# Altium PCB Audio-Streamer-Mainboard.PcbDoc (part 3 of 7) (continued)
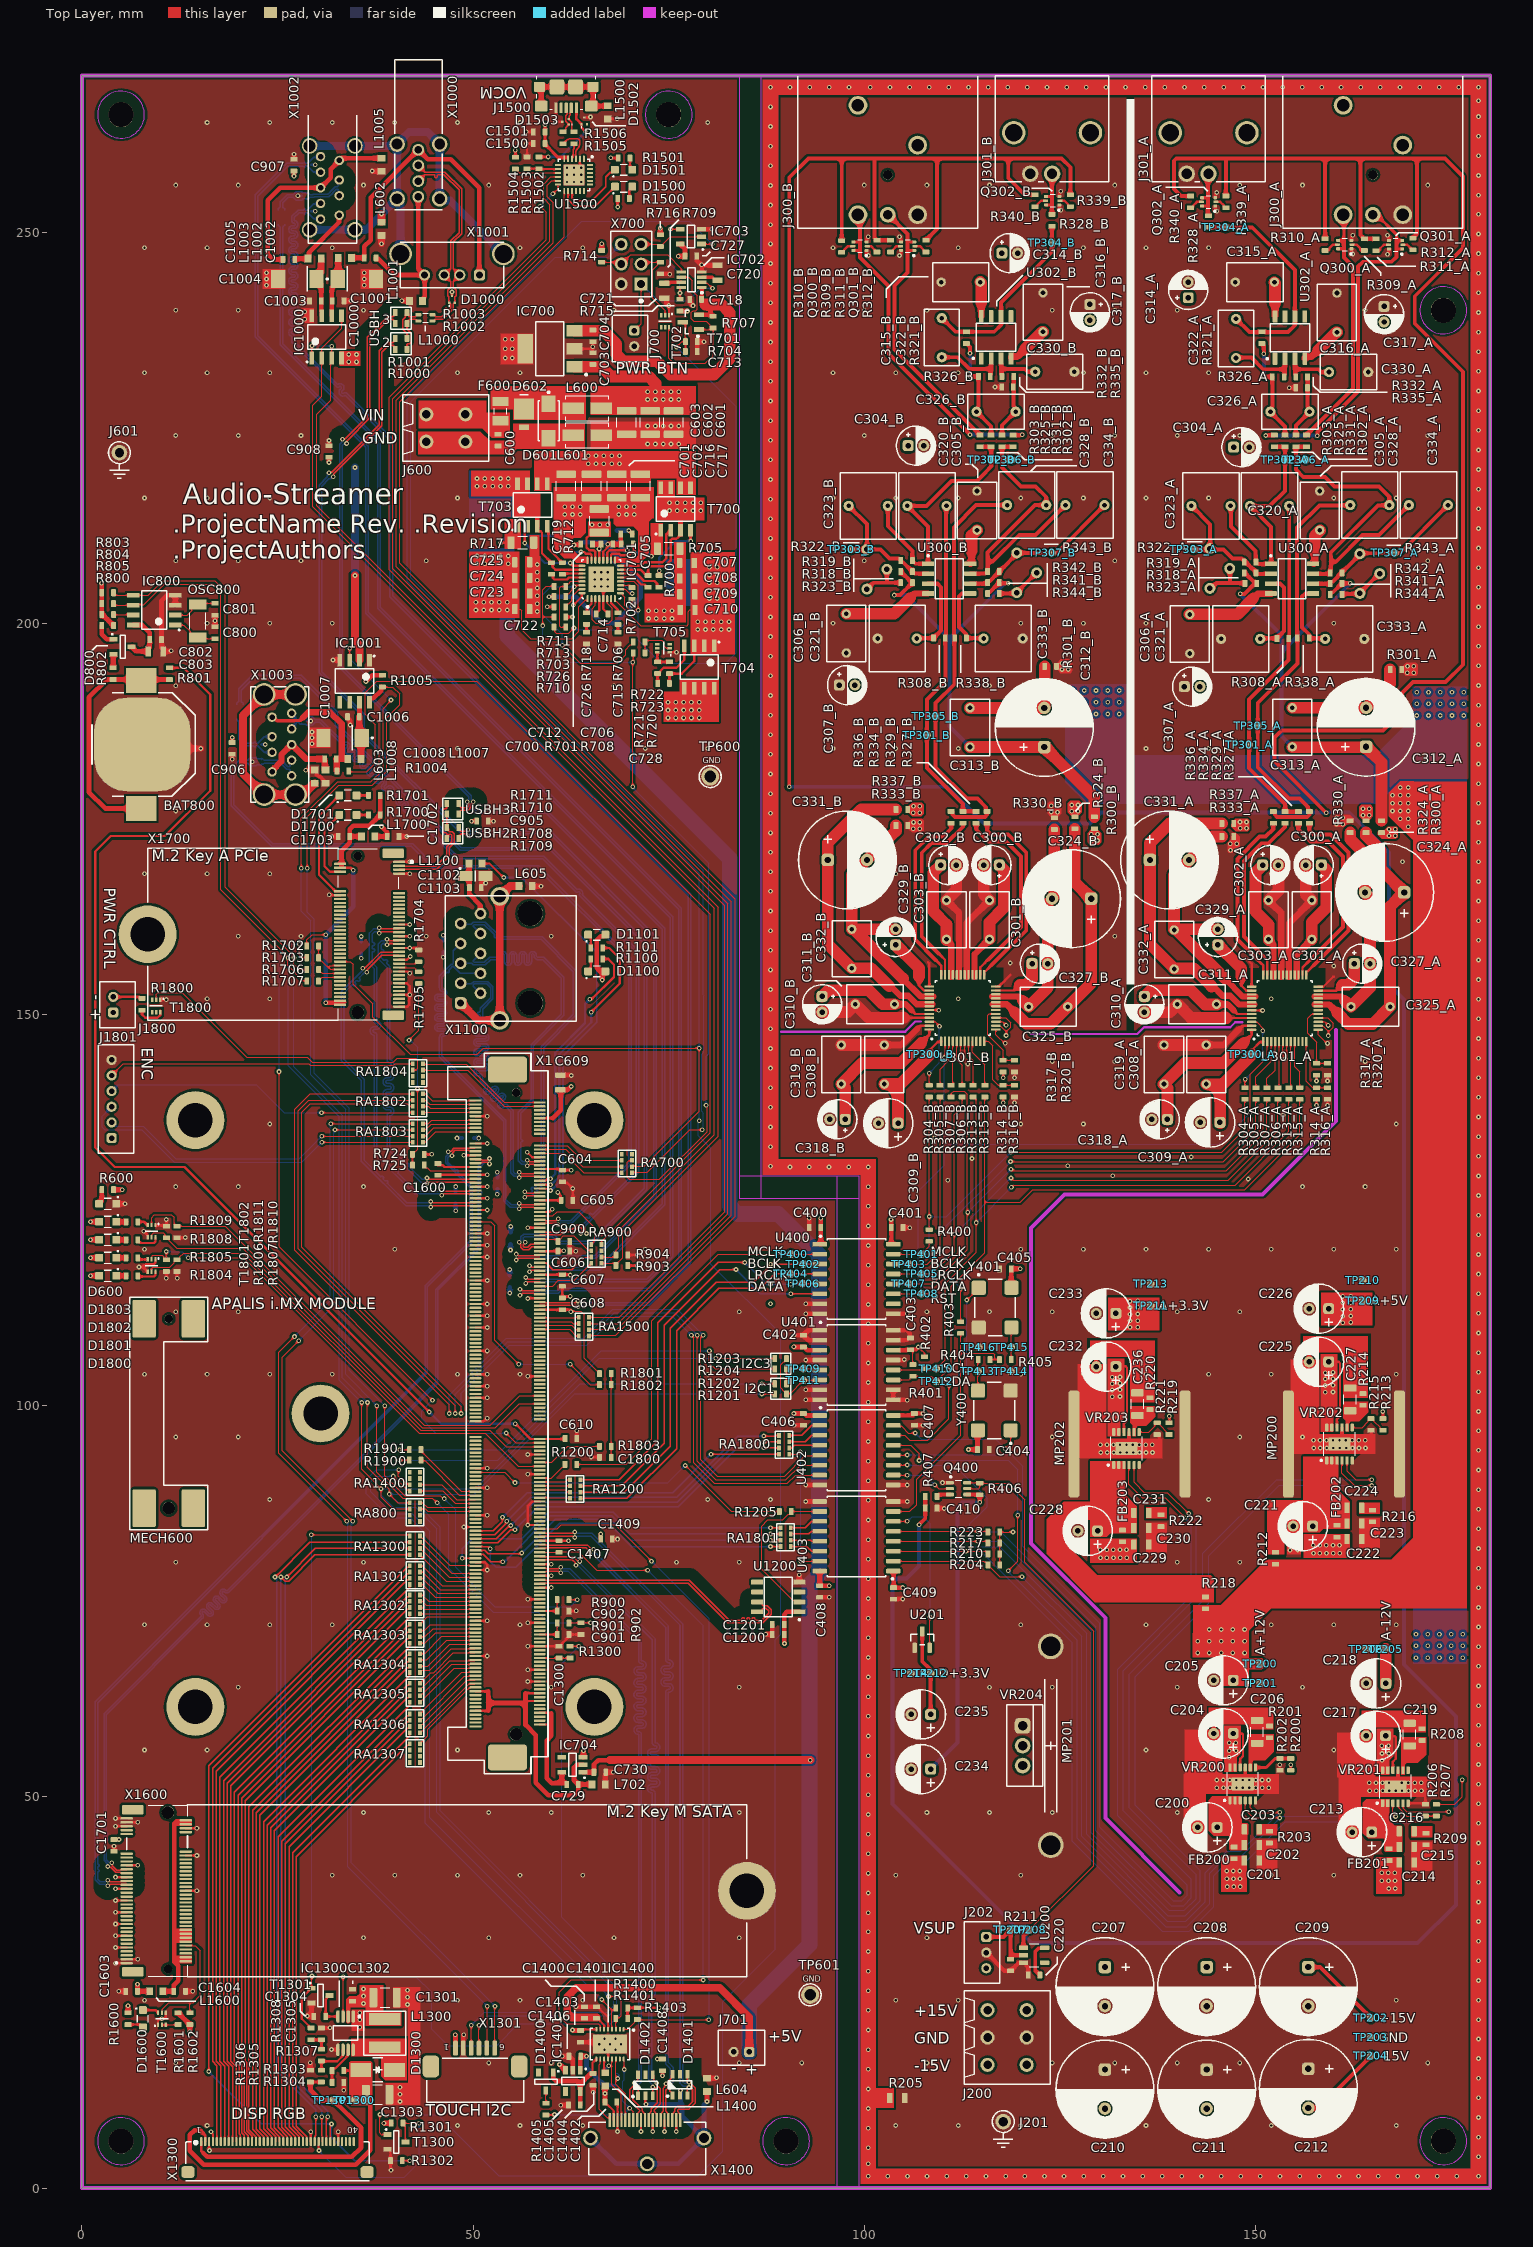
[diagram p0: Top Layer view]
## Nets (pads, with @x,y where several pads share a name; then routed paths per layer and width w, separated by ;. In a path a pad name is that pad's centre, name@x,y a point inside that pad or via, vN(x,y) a via of type N, cw(c..) or ccw(c..) an arc to the next point about the centre after c; other vN are vias at no path point) (continued)
  Top Layer w0.3: Q300_B.1@100.3,247.66 100.3,247.19 v1(100.491,247) ; Q300_B.3@100.3,248.735 100.3,249.21 v1(100.491,249.4) ; v1(104.5,247) 104.69,247.19 Q301_B.6@104.69,247.66 ; v1(104.5,249.4) 104.69,249.21 Q301_B.4@104.69,248.735 ; 105.068,149.568 U301_B.45@108.319,149.568 ; 106.7,148.1 107.168,148.568 U301_B.47@108.319,148.568 ; 108.14,156.683 108.319,156.504 U301_B.37@108.319,153.568 ; U301_B.43@108.319,150.568 109.482,150.568 v1(109.5,150.55) ; U301_B.24@116.819,153.568 117.269,153.568 117.269,153.649 118.688,155.068 ; Q302_B.1@124.925,253.463 124.925,252.993 v1(125.115,252.803) ; Q302_B.3@124.925,254.537 124.925,255.013 v1(125.115,255.203) ; C232.M@129.625,105.02 129.625,106.72 130.075,107.17 ; v2(136.8,95.02) v2@137,95.22 ; 137.7,95.22 R221.1@137.7,96.27 ; 144.6,60.3 144.65,60.25 C204.M@144.65,58.1 ; Q302_A.1@144.85,253.312 144.85,252.843 v1(145.04,252.653) ; Q302_A.3@144.85,254.387 144.85,254.863 v1(145.04,255.053) ; 146.249,149.55 U301_A.45@149.5,149.55 ; 147.881,148.082 148.349,148.55 U301_A.47@149.5,148.55 ; 148.804,157.063 148.93,157.063 149.5,156.492 U301_A.37@149.5,153.55 ; U301_A.43@149.5,150.55 149.95,150.55 150,150.5 v1(150.9,150.5) ; C225.M@156.85,105.6 156.85,107.3 157.3,107.75 ; U301_A.24@158,153.55 158.665,153.55 159.923,154.808 160.012,154.808 ; Q300_A.1@162.25,247.857 162.25,247.387 v1(162.441,247.197) ; Q300_A.3@162.25,248.932 162.25,249.407 v1(162.441,249.597) ; v2(164.025,95.6) v2@164.225,95.8 ; 164.114,59.947 164.164,59.897 C217.M@164.164,57.747 ; 164.775,95.8 R215.1@164.775,96.85 ; v1(166.859,247.177) 167.049,247.367 Q301_A.6@167.049,247.837 ; v1(166.859,249.577) 167.049,249.387 Q301_A.4@167.049,248.912 ; VR201.6@169.5,49.194 171.556,49.194 R206.1@171.7,49.05 171.7,50.2 171.8,50.3
  Top Layer w0.4: VR203.13@133.825,94.845 VR203.9@133.825,96.625 ; VR200.13@148.361,51.653 148.686,51.978 VR200.9@148.686,53.759 ; VR202.13@160.725,95.1 161.05,95.425 VR202.9@161.05,97.206 ; VR201.13@167.875,51.3 168.2,51.625 VR201.9@168.2,53.405
  Top Layer w0.5: U403.8@103.7,87.75 v1(105.5,87.75) ; U402.9@103.7,89.86 v1(105.5,89.86) ; U401.10@103.7,102.02 U401.9@103.7,100.75 105.45,100.75 v1(105.5,100.7) ; U401.13@103.7,105.83 105,105.83 105.07,105.9 v1(105.1,105.9) ; U401.15@103.7,108.37 105.47,108.37 105.75,108.65 C403.2@105.862,108.65 ; U401.16@103.7,109.64 105.4,109.64 105.812,109.229 105.812,108.7 C403.2@105.862,108.65 ; U400.9@103.7,111.75 v1(105.5,111.75) ; C409.2@103.74,75.25 103.79,75.3 v1(104.9,75.3) ; C401.2@104.95,122.75 v1(105.8,122.75) ; C403.2@105.9,108.65 C403.2@105.862,108.65 ; C407.2@106.4,97.5 v1(107.5,97.5) ; C410.2@109.29,86.9 110.123,86.9 110.173,86.85 v1(110.2,86.85) ; v1(110,90.17) 110.027,90.17 110.047,90.15 Q400.1@110.94,90.15 ; J202.2@115.59,30.1 117.927,27.763 118.687,27.763 R211.1@118.69,27.76 118.84,27.76 118.89,27.81 118.89,27.96 119.69,28.76 120.29,28.76 U200.3@120.34,28.81 120.64,28.81 120.69,28.76 120.69,28.46 120.94,28.21 C220.1@120.94,27.22 ; v1(116.7,230.2) R335_B.1@117.55,230.2 ; v1(154.3,230.1) R335_A.1@155.15,230.1
  Top Layer w0.8: C308_B.1@102.56,146.1 104.7,146.1 106.7,148.1 ; C303_B.1@110.5,164.6 112.09,163.01 112.09,154.8 ; 113.1,154.8 113.1,161.7 C301_B.1@116,164.6 ; C308_A.1@143.741,146.082 145.881,146.082 147.881,148.082 ; C303_A.1@151.681,164.582 153.271,162.992 153.271,155.05 153.271,154.782 ; 154.281,154.782 154.281,161.682 C301_A.1@157.181,164.582
  Top Layer w1.5: C310_B.M@94.6,150.3 97.85,150.3 C311_B.1@98.85,151.3 100.582,149.568 105.068,149.568 ; C319_B.1@97.06,146.1 C308_B.1@102.56,146.1 ; C303_B.1@110.5,164.6 111.75,165.85 C302_B.M@111.75,169.101 ; C300_B.M@115.25,169.101 115.25,165.35 C301_B.1@116,164.6 ; C310_A.M@135.781,150.282 139.031,150.282 140.031,151.282 141.763,149.55 146.249,149.55 ; C319_A.1@138.241,146.082 C308_A.1@143.741,146.082 ; C303_A.1@151.681,164.582 152.931,165.832 C302_A.M@152.931,169.082 ; C300_A.M@156.431,169.082 156.431,165.332 C301_A.1@157.181,164.582
  other v1: 104,8 112,8 120,8 128,8 136,8 144,8 152,8 160,8 168,8 108,16 124,16 132,16 140,16 148,16 172,16 104,24 112,24 128,24 136,24 152,24 160,24 168,24 108,32 104,40 120,40 152,40 160,40 108,48 116,48 124,48 140,48 136,56 144,56 160,56 116,64 124,64 140,64 156,64 120,72 136,72 152,72 160,72 168,72 140,80 148,80 144,88 124,96 148,96 156,96 120,104 128,104 136,104 144,104 152,104 168,104 108,112 116,112 124,112 140,112 148,112 120,120 128,120 136,120 144,120 152,120 160,120 168,120 156,128 164,128 110.65,128.8 149.05,128.975 131.75,129.4 126,130.65 113.765,131.6 141.8,131.775 108.975,134.25 112.35,134.425 120,136 128,136 168,136 114.85,136.05 153.5,137.15 113.2,143.659 124,144 132,144 164,144 153.775,144.3 112,152 152,152 160,156.2 118.658,156.569 132,160 104,168 112,168 144,168 152,168 168.775,169.5 146.8,171 147.6,171 140.225,171.784 146.781,171.8 147.6,171.8 106.257,173.744 107.075,173.744 101.075,173.875 161.15,174.325 160.35,174.344 106.275,174.544 107.075,174.544 160.35,175.144 161.15,175.144 124.696,175.857 123.896,175.875 123.896,176.675 124.696,176.675 96,184 104,184 112,184 136,184 144,184 108,192 116,192 148,192 156,192 164,192 169.407,193.688 170.225,193.688 125.257,194.094 126.075,194.094 169.425,194.488 170.225,194.488 125.275,194.894 126.075,194.894 96,200 120,200 128,200 136,200 160,200 168,200 100,208 132,208 140,208 172,208 96,216 104,216 112,216 120,216 128,216 136,216 144,216 160,216 168,216 100,224 108,224 124,224 132,224 140,224 148,224 164,224 172,224 96,232 104,232 112,232 128,232 136,232 144,232 168,232 100,240 108,240 124,240 132,240 140,240 164,240 96,248 112,248 128,248 136,248 144,248 100,256 108,256 116,256 132,256 148,256 156,256 172,256
  other v2: 164.575,50.8 165.425,50.8 166.25,50.8 167.075,50.8 167.9,50.8 168.725,50.8 169.55,50.8 170.375,50.8 171.2,50.8 145.061,51.153 145.911,51.153 146.736,51.153 147.561,51.153 148.386,51.153 149.211,51.153 150.036,51.153 150.861,51.153 151.686,51.153 164.55,51.8 165.4,51.8 166.225,51.8 167.05,51.8 168.7,51.8 169.525,51.8 170.35,51.8 171.175,51.8 145.036,52.153 145.886,52.153 146.711,52.153 147.536,52.153 148.361,52.153 149.186,52.153 150.011,52.153 150.836,52.153 151.661,52.153 154.4,81.525 155.4,81.55 154.4,82.35 155.4,82.375 154.4,83.175 155.4,83.2 130.2,94.02 131.05,94.02 131.875,94.02 132.7,94.02 133.525,94.02 134.35,94.02 135.175,94.02 136,94.02 136.825,94.02 157.425,94.6 158.275,94.6 159.1,94.6 159.925,94.6 160.75,94.6 161.575,94.6 162.4,94.6 163.225,94.6 164.05,94.6 130.175,95.02 131.025,95.02 131.85,95.02 132.675,95.02 133.5,95.02 134.325,95.02 135.15,95.02 135.975,95.02 157.4,95.6 158.25,95.6 159.075,95.6 159.9,95.6 160.725,95.6 161.55,95.6 162.375,95.6 163.2,95.6
AGND2: C729.1 IC704.2 L702.1 X1.303 X1.304 X1.308 X1.313 | length 38.9
  Top Layer w0.3: X1.313@50.3,61 51.929,61 ; X1.303@50.3,63.5 51.929,63.5 ; 56.7,62 56.95,62.25 X1.308@58.5,62.25 ; 56.7,63.25 X1.304@58.5,63.25
  Top Layer w0.6: 51.929,61 51.929,62 ; 51.929,63.5 51.929,62 ; 56.7,63.25 56.7,62.25 56.7,62 ; IC704.2@64.05,54.1 63.251,54.1 62.9,53.749 62.9,52.15 63.3,51.75 63.45,51.75 C729.1@63.45,51.6 ; L702.1@65.2,51.6 C729.1@63.45,51.6 ; 51.929,62 56.7,62 ; 56.7,62 56.7,59.2 58,57.9 58,51.8 59.6,50.2 62.9,50.2 63.45,50.75 C729.1@63.45,51.6
AOUT_A_N: C320_A.1 R308_A.2 R329_A.1 R334_A.1 TP301_A.1 | length 44.8
  Top Layer w0.5: C320_A.1@154.31,214.96 154.31,198.513 154.26,198.463 154.26,198.11 154.21,198.06 154.21,195.289 149.181,190.26 TP301_A.1@149.181,184.5 149.181,181.472 153.771,176.882 R334_A.1@153.771,175.932 R329_A.1@155.481,175.932
AOUT_A_P: C328_A.1 R327_A.1 R336_A.1 R338_A.2 TP305_A.1 | length 55.6
  Top Layer w0.5: R336_A.1@152.271,175.932 152.421,175.932 152.471,175.882 152.471,175.525 152.764,175.232 156.588,175.232 156.881,175.525 R327_A.1@156.881,175.932 156.748,175.932 156.698,175.982 156.698,176.515 155.631,177.582 154.281,177.582 150.281,181.582 150.281,189.781 155.36,194.86 155.36,198.463 155.31,198.513 155.31,212.22 158.15,215.06 C328_A.1@162.11,215.06
AOUT_B_N: C320_B.1 R308_B.2 R329_B.1 R334_B.1 TP301_B.1 | length 43.7
  Top Layer w0.5: C320_B.1@110.45,215 110.45,198.553 110.4,198.503 110.4,198.15 R308_B.2@110.35,198.1 110.35,192.6 108,190.25 TP301_B.1@108,185.7 108,181.49 112.59,176.9 R334_B.1@112.59,175.95 R329_B.1@114.3,175.95
AOUT_B_P: C328_B.1 R327_B.1 R336_B.1 R338_B.2 TP305_B.1 | length 54.5
  Top Layer w0.5: R336_B.1@111.09,175.95 111.24,175.95 111.29,175.9 111.29,175.543 111.583,175.25 115.407,175.25 115.7,175.543 R327_B.1@115.7,175.95 115.567,175.95 115.517,176 115.517,176.533 114.45,177.6 113.1,177.6 109.1,181.6 109.1,189.8 111.5,192.2 111.5,198.503 111.45,198.553 111.45,212.26 114.29,215.1 C328_B.1@118.25,215.1
AVCC: C729.2 IC704.5 X1.314 X1.320 | length 16
  Top Layer w0.3: X1.320@58.5,59.25 59.95,59.25 60,59.3 ; X1.314@58.5,60.75 59.95,60.75 60,60.7
  Top Layer w0.6: 60,60.7 60,59.3 60,57.8 59.4,57.2 59.4,52.4 60.05,51.75 61.35,51.75 ; IC704.5@61.35,53.15 61.35,51.75 ; C729.2@61.95,51.6 61.95,51.75 61.35,51.75
BIAS+5V_A: C312_A.P C313_A.2 R300_A.2 R318_A.2 R323_A.2 R341_A.2 R344_A.2 | length 62.5
  Top Layer w0.5: v1(148.036,203.76) 148.582,203.76 150.01,205.188 150.01,205.29 149.96,205.34 149.73,205.34 148.71,206.36 148.56,206.36 148.51,206.41 R318_A.2@148.51,206.56 ; R344_A.2@159.61,203.764 159.61,203.914 159.66,203.964 159.914,203.964 160.91,204.96 161.06,204.96 161.11,205.01 R341_A.2@161.11,205.1 ; R341_A.2@161.05,205.1 R341_A.2@161.11,205.1 ; v1(162.1,205.1) R341_A.2@161.11,205.1
  Top Layer w1.5: C313_A.2@154.681,184.162 164.125,184.162 164.181,184.162 166.1,182.243 R300_A.2@166.1,174.75
  Bottom Layer w0.5: v1(148.036,203.76) 153.3,198.496 153.3,196.3 ; C313_A.2@154.7,184.2 153.3,185.6 153.3,196.3 ; v1(162.1,205.1) 153.3,196.3
BIAS+5V_B: C312_B.P C313_B.2 R300_B.2 R318_B.2 R323_B.2 R341_B.2 R344_B.2 | length 63.8
  Top Layer w0.5: v1(103.84,203.6) 104.57,203.6 105.95,204.98 106.1,204.98 106.15,205.03 R323_B.2@106.15,205.18 ; R318_B.2@104.65,206.6 104.65,206.45 104.7,206.4 104.85,206.4 R323_B.2@105.87,205.38 ; R344_B.2@115.75,203.804 115.75,203.954 115.8,204.004 116.054,204.004 R341_B.2@117.05,205 ; R341_B.2@117.25,205.2 117.25,205.165 117.3,205.115 v1(118.4,205.115)
  Top Layer w1.5: C313_B.2@113.5,184.18 C312_B.P@123,184.18 129.4,177.78 R300_B.2@129.4,175.25
  Bottom Layer w0.5: v1(103.84,203.6) 105.3,203.6 110.9,198 ; C313_B.2@113.5,184.18 110.9,186.78 110.9,198 ; v1(118.4,205.115) 118.015,205.115 110.9,198
BKL1_ON: IC1300.3 R1300.2 | length 100.8
  Top Layer w0.15: IC1300.3@33.375,21.93 33.375,26.975 v1(33.4,27) ; R1300.2@62.4,69.25 63.495,69.25 v1(63.5,69.245)
  Bottom Layer w0.15: v1(33.4,27) 42.7,27 44.7,25 44.7,20.3 46.8,18.2 53,18.2 55.8,21 67.6,21 68.935,22.335 68.935,26.965 61.3,34.6 61.3,67.045 v1(63.5,69.245)
CHGND: J300_A.0 J300_B.0 R205.2
  other v1: 100.491,1.5 103,1.5 105.509,1.5 108.019,1.5 110.528,1.5 113.037,1.5 115.547,1.5 118.056,1.5 120.509,1.5 123.019,1.5 125.528,1.5 128.037,1.5 130.547,1.5 133.056,1.5 135.565,1.5 138.074,1.5 140.584,1.5 143.093,1.5 145.602,1.5 148.112,1.5 150.621,1.5 153.13,1.5 155.64,1.5 158.149,1.5 160.658,1.5 163.168,1.5 165.677,1.5 168.186,1.5 170.696,1.5 173.205,1.5 175.714,1.5 178.5,1.5 100.491,3.1 178.5,4.009 100.5,5.146 178.5,6.519 100.5,7.655 178.5,9.028 100.5,10.165 178.5,11.537 100.5,12.674 178.5,14.047 100.5,15.183 178.5,16.556 100.5,17.693 178.5,19.065 100.5,20.202 178.5,21.519 100.5,22.711 178.5,24.028 100.5,25.221 178.5,26.537 100.5,27.73 178.5,29.047 100.5,30.239 178.5,31.556 100.5,32.749 178.5,34.065 100.5,35.202 178.5,36.574 100.5,37.711 178.5,39.084 100.5,40.221 178.5,41.593 100.5,42.73 178.5,44.102 100.5,45.239 178.5,46.612 100.5,47.749 178.5,49.121 100.5,50.258 178.5,51.63 100.5,52.767 178.5,54.14 100.5,55.277 178.5,56.649 100.5,57.786 178.5,59.158 100.5,60.295 178.5,61.668 100.5,62.804 178.5,64.177 100.5,65.314 178.5,66.686 100.5,67.823 178.5,69.196 100.5,70.332 178.5,71.705 100.5,72.842 178.5,74.214 100.5,75.351 178.5,76.723 100.5,77.86 178.5,79.233 100.5,80.37 178.5,81.742 100.5,82.879 178.5,84.251 100.5,85.388 178.5,86.761 100.5,87.898 178.5,89.27 100.5,90.407 178.5,91.779 100.5,92.916 178.5,94.289 100.5,95.426 178.5,96.798 100.5,97.935 178.5,99.251 100.5,100.444 178.5,101.761 100.5,102.953 178.5,104.27 100.5,105.463 178.5,106.779 100.5,107.972 178.5,109.289 100.5,110.481 178.5,111.798 100.5,112.935 178.5,114.307 100.5,115.444 178.5,116.817 100.5,117.953 178.5,119.326 100.5,120.463 178.5,121.835 100.5,122.972 178.5,124.345 100.5,125.481 178.5,126.854 100.5,127.991 178.5,129.363 90.5,130.5 92.972,130.5 95.481,130.5 97.991,130.5 100.5,130.5 88,130.6 178.5,131.872 88,133.109 178.5,134.382 88,135.618 178.5,136.891 88,138.128 178.5,139.4 88,140.637 178.5,141.91 88,143.146 178.5,144.419 88,145.655 178.5,146.928 88,148.165 178.5,149.438 88,150.674 178.5,151.947 88,153.183 178.5,154.456 88,155.693 178.5,156.966 88,158.202 178.5,159.475 88,160.711 178.5,161.984 88,163.221 178.5,164.494 88,165.73 178.5,167.003 88,168.239 178.5,169.512 88,170.749 178.5,172.021 88,173.202 178.5,174.531 88,175.711 178.5,176.984 88,178.221 178.5,179.494 88,180.73 178.5,182.003 88,183.239 178.5,184.512 88,185.749 178.5,187.021 88,188.258 178.5,189.531 88,190.767 178.5,192.04 88,193.277 178.5,194.549 88,195.786 178.5,197.059 88,198.295 178.5,199.568 88,200.804 178.5,202.077 88,203.314 178.5,204.587 88,205.823 178.5,207.096 88,208.332 178.5,209.605 88,210.842 178.5,212.115 88,213.351 178.5,214.624 88,215.86 178.5,217.133 88,218.37 178.5,219.643 88,220.879 178.5,222.152 88,223.388 178.5,224.661 88,225.898 178.5,227.17 88,228.407 178.5,229.68 88,230.916 178.5,232.189 88,233.426 178.5,234.698 88,235.935 178.5,237.208 88,238.444 178.5,239.717 88,240.953 178.5,242.226 88,243.463 178.5,244.736 88,245.972 178.5,247.245 88,248.481 178.5,249.754 88,250.935 178.5,252.264 88,253.444 178.5,254.717 88,255.953 178.5,257.226 88,258.463 178.5,259.736 88,260.972 178.5,262.245 88,263.481 178.5,264.754 88,265.991 178.5,266.767 88,268.5 90.509,268.5 93.019,268.5 95.528,268.5 98.037,268.5 100.767,268.5 103.277,268.5 105.786,268.5 108.295,268.5 110.804,268.5 113.314,268.5 115.823,268.5 118.332,268.5 120.842,268.5 123.351,268.5 125.86,268.5 128.37,268.5 130.879,268.5 133.388,268.5 135.898,268.5 138.407,268.5 140.916,268.5 143.426,268.5 145.935,268.5 148.444,268.5 150.953,268.5 153.463,268.5 155.972,268.5 158.481,268.5 160.935,268.5 163.444,268.5 165.953,268.5 168.463,268.5 170.972,268.5 173.481,268.5 175.991,268.5 178.5,268.5
D+3.3V: C235.P C318_A.P C318_B.P C319_A.2 C319_B.2 C401.1 C403.1 C404.1 C405.1 C407.1 C409.1 R204.2 R210.2 R217.2 R223.2 R314_A.2 R314_B.2 R317_A.2 R317_B.2 R401.2 R402.2 TP212.1 U201.3 U301_A.14 U301_A.16 U301_A.48 U301_B.14 U301_B.16 U301_B.48 U400.16 U401.14 U402.16 U403.1 VR204.2 Y400.4 Y401.4 | length 94.5
  Top Layer w0.15: C403.1@105.95,107.2 106.2,106.95 R401.2@106.2,105.25 ; v1(106.9,107.5) 107.7,106.7 R402.2@107.7,106.25 ; U301_B.16@116.819,149.568 118.069,149.568 118.719,148.918 118.719,148.39 118.144,147.815 ; U301_B.14@116.894,148.493 117.465,148.493 118.144,147.815 ; R204.2@117.3,79.65 R210.2@117.3,81.05 R223.2@117.3,83.85 118.996,83.85 v1(119,83.854) ; v1(117.75,138.7) R314_B.2@117.75,139.45 ; v1(117.75,141.9) R317_B.2@117.75,142.65 ; v1(118.119,147.318) 118.144,147.343 118.144,147.815 ; v1(157.8,138.4) R314_A.2@157.8,139.15 ; v1(157.8,141.5) R317_A.2@157.8,142.25 ; U301_A.14@158,148.55 158.075,148.475 158.646,148.475 159.325,147.796 ; U301_A.16@158.029,149.579 U301_A.16@158,149.55 159.25,149.55 159.9,148.9 159.9,148.371 159.325,147.796 ; v1(159.3,147.3) 159.325,147.325 159.325,147.796
  Top Layer w0.3: 107.26,146.34 108.319,147.399 U301_B.48@108.319,148.068 ; 148.441,146.322 149.5,147.38 U301_A.48@149.5,148.05
  Top Layer w0.5: v1(103.4,123.8) 103.4,123.773 103.45,123.723 C401.1@103.45,122.75 103.45,120.69 103.5,120.64 U400.16@103.7,120.64 ; U403.1@103.7,78.86 103.74,78.82 C409.1@103.74,76.75 v1(104.9,76.75) ; U402.16@103.7,98.75 106,98.75 106.25,99 C407.1@106.4,99 v1(107.5,99) ; U401.14@103.7,107.1 105.7,107.1 105.75,107.15 C403.1@105.9,107.15 105.95,107.2 106.6,107.2 v1(106.9,107.5) ; U201.3@107.4,71.15 107.4,67.3 108.379,66.321 108.379,65.89 TP212.1@108.475,65.795 C235.P@108.475,60.545
  Top Layer w0.6: v1(113.319,94.39) C404.1@114.463,94.39 114.463,96.794 Y400.4@114.518,96.85 ; Y401.4@118.815,115.07 118.774,115.111 C405.1@118.774,117.49 v1(119.919,117.49)
  Top Layer w1.5: C318_B.P@97.56,136.6 97.56,140.6 C319_B.2@97.06,141.1 99.76,143.8 104.72,143.8 107.26,146.34 ; C318_A.P@138.741,136.582 138.741,140.582 138.241,141.082 140.941,143.782 145.901,143.782 148.441,146.322
DAC_MUTE: RA1802.8 U402.5 | length 136.9
  Top Layer w0.15: RA1802.8@42.28,139.85 29.177,139.85 27.2,137.873 27.2,119.868 46.964,100.103 v1(46.964,99) ; v1(79.4,109) 79.1,108.7 79.1,93.08 81.2,90.98 89.8,90.98 92.415,93.595 94.225,93.595 U402.5@94.3,93.67
  Bottom Layer w0.15: v1(46.964,99) 46.964,101.337 54.227,108.6 64.127,108.6 67.868,112.34 76.06,112.34 v1(79.4,109)
DCDC_COMP_B: C1304.2 IC1300.4 T1301.3 | length 4.6
  Top Layer w0.3: T1301.3@31.65,24.605 31.45,24.605 31.3,24.455 31.3,24.255 31.15,24.105 C1304.2@31.15,21.93 IC1300.4@32.725,21.93
DCDC_FB_B: IC1300.6 R1305.1 R1307.2 | length 5
  Top Layer w0.3: R1305.1@30.6,15.055 30.6,16.205 32.639,16.205 33.346,16.913 33.346,17.651 IC1300.6@33.375,17.68
DCDC_OVP_B: IC1300.7 R1303.1 R1304.2 | length 5.2
  Top Layer w0.3: R1304.2@31.975,13.505 R1303.1@31.975,15.005 31.975,15.155 32.125,15.305 32.375,15.305 33.996,16.926 33.996,17.651 IC1300.7@34.025,17.68
DCDC_PWM_B: C1305.2 R1307.1 R1308.2 | length 2.5
  Top Layer w0.3: R1308.2@29.3,18.955 C1305.2@30.6,18.955 R1307.1@30.6,17.755
DCDC_SW_B: D1300.2 IC1300.8 L1300.2
ENC_A: J1801.2 RA1803.6 | length 41.6
  Top Layer w0.15: v1(30.658,134.425) 41.93,134.425 41.955,134.45 RA1803.6@42.28,134.45
  Bottom Layer w0.15: J1801.2@3.8,136.2 3.913,136.2 4.413,135.7 7.85,135.7 12,131.55 27.783,131.55 v1(30.658,134.425)
ENC_B: J1801.3 RA1803.5 | length 45.7
  Top Layer w0.15: v1(30.674,133.658) 41.913,133.658 41.93,133.675 41.955,133.65 RA1803.5@42.28,133.65
  Bottom Layer w0.15: J1801.3@3.8,138.2 2.6,137 2.6,135.6 2.95,135.25 7.664,135.25 11.814,131.1 28.116,131.1 v1(30.674,133.658)
ENC_BKL: J1801.5 RA1804.1 | length 39.3
  Top Layer w0.15: J1801.5@3.8,142.2 5.3,143.7 29,143.7 29.2,143.5 39.85,143.5 40.05,143.7 RA1804.1@42.28,143.7
ENC_BTN: J1801.4 RA1802.5 | length 40.3
  Top Layer w0.15: v1(30.633,137.45) RA1802.5@42.28,137.45
  Bottom Layer w0.15: J1801.4@3.8,140.2 4.6,141 22.3,141 25.85,137.45 v1(30.633,137.45)
ETH1_ACT: R1100.1 X1.42 | length 34.1
  Top Layer w0.3: X1.42@58.5,128.75 59.254,128.75 59.446,128.943 59.843,128.943 v1(59.9,129) ; v1(64.9,151.947) 65.147,151.947 68,154.8 68,156.36 67.26,157.1 R1100.1@66.55,157.1
  Bottom Layer w0.3: v1(59.9,129) 60.5,129.6 60.5,145.114 64.3,148.914 64.3,151.347 v1(64.9,151.947)
ETH1_CTREF: L1100.1 X1.46 | length 53.8
  Top Layer w0.25: L1100.1@51.14,169.278 52.122,169.278 v1(53.9,167.5) ; X1.46@58.5,127.75 58.525,127.725 59.58,127.725 59.805,127.5 v1(59.9,127.5)
  Bottom Layer w0.25: v1(53.9,167.5) 56.225,167.5 65.8,157.925 65.8,149 61.5,144.7 61.5,129.037 59.963,127.5 v1(59.9,127.5)
ETH1_LINK: R1101.1 X1.44 | length 36.8
  Top Layer w0.3: X1.44@58.5,128.25 v1(59.9,128.25) ; v1(65.1,150.3) 68.75,153.95 68.75,157.15 67.4,158.5 R1101.1@66.55,158.5
  Bottom Layer w0.3: v1(59.9,128.25) 59.981,128.25 60.131,128.4 60.149,128.4 61,129.251 61,144.907 65.1,149.007 v1(65.1,150.3)
ETH1_MDI0_N: X1.48 X1100.P8 | length 51.5
  Top Layer w0.165: v1(56.6,127.35) 56.714,127.35 56.914,127.15 57.442,127.15 57.736,127.15 57.768,127.182 58.432,127.182 X1.48@58.5,127.25
  Bottom Layer w0.165: X1100.P8@50.95,160.342 50.042,161.25 50.042,161.387 50.139,161.484 51.453,161.484 52.436,160.5 52.554,160.382 52.755,160.182 cw(c52.72,160.147) 52.755,160.112 ccw(c52.872,159.994) 52.755,159.877 ccw(c52.872,159.994) 52.99,159.877 cw(c53.025,159.842) 53.06,159.877 53.2,159.736 53.336,159.6 58.684,159.6 62.8,155.484 62.8,150 58.7,145.9 58.7,128.5 58.582,128.382 58.465,128.265 cw(c58.347,128.382) 58.229,128.265 58.171,128.323 ccw(c58.053,128.205) 57.935,128.323 ccw(c58.053,128.205) 57.935,128.088 57.994,128.029 cw(c57.876,127.911) 57.994,127.794 cw(c57.876,127.911) 57.758,127.794 57.7,127.852 ccw(c57.582,127.734) 57.464,127.852 ccw(c57.582,127.734) 57.464,127.617 57.523,127.558 cw(c57.405,127.44) 57.523,127.323 57.405,127.205 57.35,127.15 56.914,127.15 56.714,127.35 v1(56.6,127.35)
ETH1_MDI0_P: X1.50 X1100.P9 | length 51.5
  Top Layer w0.165: v1(56.6,126.65) 56.714,126.65 56.914,126.85 57.318,126.85 57.736,126.85 57.768,126.817 58.432,126.817 X1.50@58.5,126.75
  Bottom Layer w0.165: X1100.P9@48.41,161.612 48.499,161.523 49.754,161.523 50.014,161.784 51.577,161.784 53.46,159.9 58.808,159.9 63.1,155.608 63.1,149.876 59,145.776 59,128.376 57.474,126.85 56.914,126.85 56.714,126.65 v1(56.6,126.65)
ETH1_MDI1_N: X1.54 X1100.P4 | length 51.1
  Top Layer w0.165: v1(55.9,125.85) 56.014,125.85 56.214,125.65 57.311,125.65 57.736,125.65 57.768,125.682 58.432,125.682 X1.54@58.5,125.75
  Bottom Layer w0.165: X1100.P4@50.95,155.262 48.361,155.262 47.489,156.135 47.352,156.135 47.2,155.983 47.009,155.791 46.926,155.708 ccw(c46.96,155.674) 46.926,155.639 cw(c46.808,155.521) 46.926,155.404 cw(c46.808,155.521) 46.69,155.404 ccw(c46.655,155.369) 46.621,155.404 46.509,155.291 46,154.783 46,154.6 46,153.7 46,153.383 ccw(c46.149,153.383) 46.149,153.234 cw(c46.149,152.767) 46.616,152.767 cw(c46.149,152.767) 46.149,152.301 45.551,152.301 ccw(c45.551,152.134) 45.551,151.968 46.149,151.968 cw(c46.149,151.501) 46.616,151.501 cw(c46.149,151.501) 46.149,151.035 45.551,151.035 ccw(c45.551,150.868) 45.551,150.702 46.149,150.702 cw(c46.149,150.235) 46.616,150.235 cw(c46.149,150.235) 46.149,149.769 45.551,149.769 ccw(c45.551,149.602) 45.551,149.436 46.149,149.436 cw(c46.149,148.969) 46.616,148.969 cw(c46.149,148.969) 46.149,148.503 45.551,148.503 ccw(c45.551,148.336) 45.551,148.17 46.149,148.17 cw(c46.149,147.703) 46.616,147.703 cw(c46.149,147.703) 46.149,147.237 ccw(c46.149,147.088) 46,147.088 46,144.7 54.2,136.5 54.2,126.345 54.895,125.65 55.586,125.65 55.786,125.85 v1(55.9,125.85)
ETH1_MDI1_P: X1.56 X1100.P7 | length 51
  Top Layer w0.165: v1(55.9,125.15) 56.014,125.15 56.214,125.35 57.187,125.35 57.736,125.35 57.768,125.317 58.432,125.317 X1.56@58.5,125.25
  Bottom Layer w0.165: X1100.P7@48.41,159.072 47.477,158.14 47.477,156.531 47.381,156.435 47.228,156.435 45.7,154.907 45.7,153.383 ccw(c46.149,153.383) 46.149,152.934 cw(c46.149,152.767) 46.316,152.767 cw(c46.149,152.767) 46.149,152.601 45.551,152.601 ccw(c45.551,152.134) 45.551,151.668 46.149,151.668 cw(c46.149,151.501) 46.316,151.501 cw(c46.149,151.501) 46.149,151.335 45.551,151.335 ccw(c45.551,150.868) 45.551,150.402 46.149,150.402 cw(c46.149,150.235) 46.316,150.235 cw(c46.149,150.235) 46.149,150.069 45.551,150.069 ccw(c45.551,149.602) 45.551,149.136 46.149,149.136 cw(c46.149,148.969) 46.316,148.969 cw(c46.149,148.969) 46.149,148.803 45.551,148.803 ccw(c45.551,148.336) 45.551,147.87 46.149,147.87 cw(c46.149,147.703) 46.316,147.703 cw(c46.149,147.703) 46.149,147.537 ccw(c46.149,147.088) 45.7,147.088 45.7,144.576 53.9,136.376 53.9,126.221 54.771,125.35 55.586,125.35 55.786,125.15 v1(55.9,125.15)
ETH1_MDI2_N: X1.34 X1100.P5 | length 50.8
  Top Layer w0.165: v1(56.9,130.65) 57.014,130.65 57.214,130.85 57.736,130.85 57.768,130.817 58.432,130.817 X1.34@58.5,130.75
  Bottom Layer w0.165: X1100.P5@48.41,156.532 48.422,156.544 49.828,156.544 50.013,156.359 51.575,156.359 52.233,157.017 53.2,157.017 ccw(c53.2,157.484) 53.666,157.484 53.666,157.566 cw(c53.833,157.566) 53.999,157.566 53.999,156.768 ccw(c54.466,156.768) 54.932,156.768 54.932,157.566 cw(c55.099,157.566) 55.265,157.566 55.265,156.768 ccw(c55.732,156.768) 56.198,156.768 56.198,157.566 cw(c56.365,157.566) 56.531,157.566 56.531,156.768 ccw(c56.998,156.768) 57.464,156.768 57.464,157.566 cw(c57.631,157.566) 57.797,157.566 57.797,157.484 ccw(c58.264,157.484) 58.264,157.017 58.883,157.017 61.288,154.612 61.288,150.012 57.4,146.124 57.4,139.124 55.8,137.524 55.8,131.278 56.228,130.85 56.586,130.85 56.786,130.65 v1(56.9,130.65)
ETH1_MDI2_P: X1.32 X1100.P6 | length 50.8
  Top Layer w0.165: v1(56.9,131.35) 57.014,131.35 57.214,131.15 57.736,131.15 57.768,131.182 58.432,131.182 X1.32@58.5,131.25
  Bottom Layer w0.165: X1100.P6@50.95,157.802 50.04,156.893 50.04,156.756 50.137,156.659 51.451,156.659 52.109,157.317 53.2,157.317 ccw(c53.2,157.484) 53.366,157.484 53.366,157.566 cw(c53.833,157.566) 54.299,157.566 54.299,156.768 ccw(c54.466,156.768) 54.632,156.768 54.632,157.566 cw(c55.099,157.566) 55.565,157.566 55.565,156.768 ccw(c55.732,156.768) 55.898,156.768 55.898,157.566 cw(c56.365,157.566) 56.831,157.566 56.831,156.768 ccw(c56.998,156.768) 57.164,156.768 57.164,157.566 cw(c57.631,157.566) 58.097,157.566 58.097,157.484 ccw(c58.264,157.484) 58.264,157.317 59.007,157.317 61.588,154.736 61.588,149.888 57.7,146 57.7,139 56.1,137.4 56.1,134.3 56.1,134.082 ccw(c56.149,134.082) 56.149,134.032 cw(c56.149,133.866) 56.316,133.866 cw(c56.149,133.866) 56.149,133.699 ccw(c56.149,133.65) 56.1,133.65 56.1,133.366 56.1,133.2 56.1,131.402 56.353,131.15 56.586,131.15 56.786,131.35 v1(56.9,131.35)
ETH1_MDI3_N: X1.40 X1100.P2 | length 51.5
  Top Layer w0.165: v1(55.9,129.15) 56.014,129.15 56.214,129.35 57.736,129.35 57.768,129.317 58.432,129.317 X1.40@58.5,129.25
  Bottom Layer w0.165: X1100.P2@50.95,152.722 50.042,153.63 50.042,153.767 50.175,153.9 51.733,153.9 52.233,153.4 52.233,152.133 50.9,150.8 50.9,150.634 50.9,150.45 cw(c50.751,150.45) 50.751,150.301 ccw(c50.751,150.134) 50.584,150.134 ccw(c50.751,150.134) 50.751,149.968 cw(c50.751,149.818) 50.9,149.818 50.9,149.8 50.9,148.33 cw(c50.734,148.33) 50.734,148.163 50.551,148.163 ccw(c50.551,147.697) 50.551,147.23 51.549,147.23 cw(c51.549,147.064) 51.716,147.064 cw(c51.549,147.064) 51.549,146.897 50.551,146.897 ccw(c50.551,146.431) 50.551,145.964 51.549,145.964 cw(c51.549,145.798) 51.716,145.798 cw(c51.549,145.798) 51.549,145.631 50.551,145.631 ccw(c50.551,145.165) 50.551,144.698 51.549,144.698 cw(c51.549,144.532) 51.716,144.532 cw(c51.549,144.532) 51.549,144.365 50.551,144.365 ccw(c50.551,143.899) 50.551,143.432 51.549,143.432 cw(c51.549,143.266) 51.716,143.266 cw(c51.549,143.266) 51.549,143.099 50.551,143.099 ccw(c50.551,142.633) 50.551,142.167 50.734,142.167 cw(c50.734,142) 50.9,142 50.9,141.496 51.523,140.873 cw(c51.405,140.756) 51.572,140.756 cw(c51.405,140.756) 51.523,140.638 51.471,140.586 ccw(c51.801,140.256) 52.131,139.926 52.682,140.478 ; 52.682,140.478 cw(c52.8,140.36) 52.917,140.478 ; 52.918,140.478 cw(c52.8,140.36) 52.966,140.36 cw(c52.8,140.36) 52.918,140.242 52.366,139.691 ccw(c52.696,139.361) 53.026,139.031 53.577,139.583 cw(c53.695,139.465) 53.813,139.583 ; 53.813,139.582 cw(c53.695,139.465) 53.862,139.465 cw(c53.695,139.465) 53.813,139.347 53.261,138.796 ccw(c53.591,138.466) 53.921,138.136 53.973,138.188 ; 53.973,138.188 cw(c54.091,138.07) 54.208,138.188 54.8,137.596 54.8,129.778 55.228,129.35 55.586,129.35 55.786,129.15 v1(55.9,129.15)